# Altium PCB dust-measure-device.PcbDoc
Units mil, origin at the board's own origin, x right, y up, seen from the top; angles counter-clockwise.
Board outline 6000 x 4000 mil, 2 copper layers (Top Layer, Bottom Layer); 93 components, 64 nets, 350 pads, 33 vias.
Unrouted connection lines stored in the file: 102.
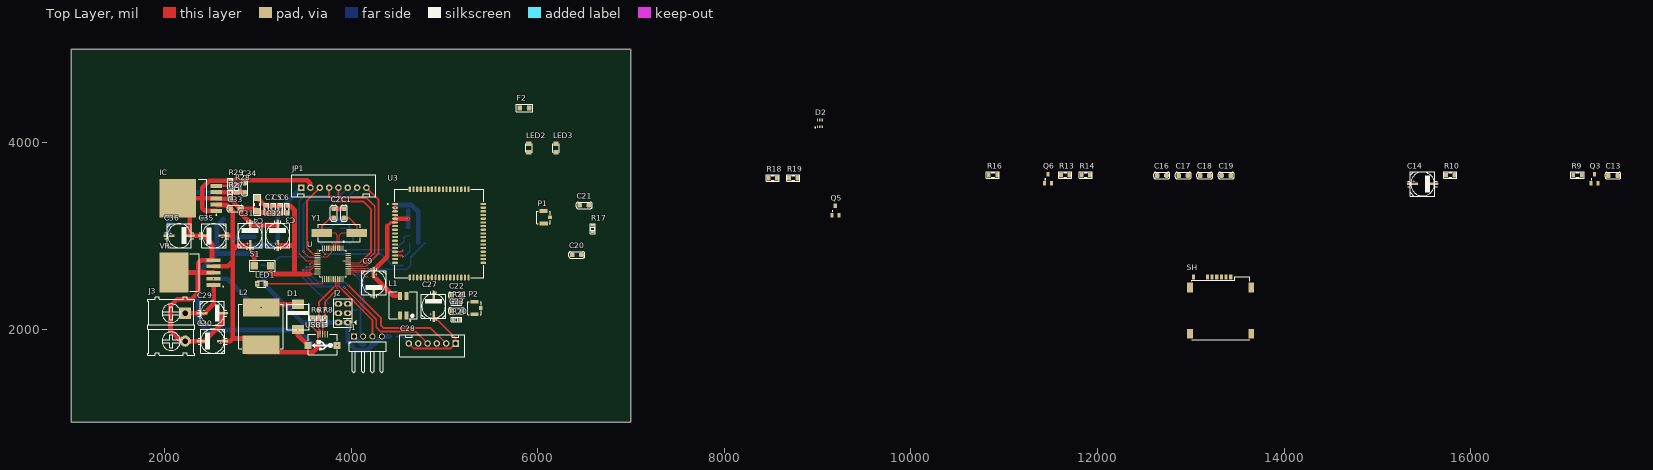
[diagram p0: Top Layer view]
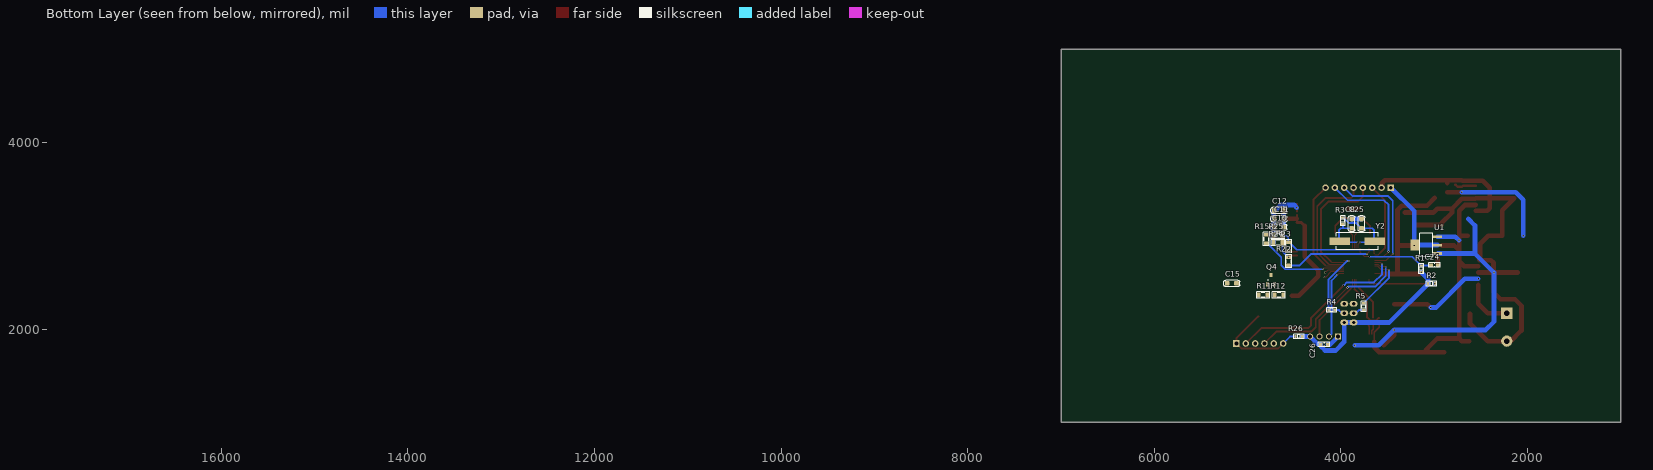
[diagram p1: Bottom Layer view, seen from below]

## Layer stack, top to bottom
Top Solder: solder mask 0.4, Solder Resist, Dk 3.5
Top Layer: signal copper 1.4
Dielectric 1: dielectric 12.6, FR-4, Dk 4.8
Bottom Layer: signal copper 1.4
Bottom Solder: solder mask 0.4, Solder Resist, Dk 3.5

## Board outline
1000,1000 7000,1000 7000,5000 1000,5000

## Design rules (kind name [scope] priority, off if disabled: settings)
Clearance [All] p1: gap=10 ignorepadtopadclearanceinfootprint=FALSE except(0: Arc-Hole Track-Hole SMDPad-Hole THPad-Hole Via-Hole Fill-Hole Poly-Hole Region-Hole Text-Hole; 25: Arc-Fill Arc-Poly Arc-Region Track-Fill Track-Poly Track-Region SMDPad-Fill SMDPad-Poly SMDPad-Region THPad-Fill THPad-Poly THPad-Region Via-Fill Via-Poly Via-Region Fill-Fill Fill-Poly Fill-Region Poly-Poly Poly-Region Region-Region)
PolygonConnect [All] p1: connectstyle=Relief reliefconductorwidth=10 reliefentries=4 polygonreliefangle="90 Angle" airgapwidth=10
RoutingVias [All] p1: holewidth=28 width=50 viastyle="Through Hole" minholewidth=28 minwidth=50 maxholewidth=28 maxwidth=50
SolderMaskExpansion [All] p1: expansion=4
Width [All] p1: maxlimit=50 minlimit=7 preferedwidth=20
30 further rules are at their usual default settings.

## Classes and differential pairs
component class "U_[05] - Power Supply": C29 C30 C31 C32 C33 C34 C35 C36 D1 IC J3 L2 R27 R28 R29 U1 VR
component class "U_[04] - Display": JP1
component class "U_[03] - Module Sim": C9 C10 C11 C12 C13 C14 C15 C16 C17 C18 C19 C20 C21 C22 C23 D2 F2 L1 LED2 LED3 P1 P2 Q3 Q4 Q5 Q6 R9 R10 R11 R12 R13 R14 R15 R16 R17 R18 R19 R20 R21 R22 R23 R24 R25 SH U3
component class "U_[02] - Sensor": C27 C28 R26
component class "U_[01] - MCU": C1 C2 C3 C4 C5 C6 C7 C8 C24 C25 C26 J1 J2 LED1 R1 R2 R3 R4 R5 R6 R7 R8 S1 U USB1 Y1 Y2

## Components (designator, comment, footprint, x,y, rotation, side; value= is the part's Value field where it differs from the comment)
C1 "20pF" CAP_0805 3925,3240 r270 top value=33p
C2 "20pF" CAP_0805 3815,3240 r270 top value=33p
C3 "104" CAP_0603 3315,3285 r90 top value=33p
C4 "106" CAP_1206 2995,3335 r90 top value=33p
C5 "104" CAP_0603 3170,3285 r90 top value=33p
C6 "104" CAP_0603 3245,3285 r90 top value=33p
C7 "104" CAP_0603 3095,3285 r90 top value=33p
C8 "20pF" CAP_0805 3885,3130 r270 bottom value=33p
C9 "100uF" CAP-ALU-SMD-D 4245,2495 r270 top
C10 "1uF" CAP_0805 4665,3090 r180 bottom value=33p
C11 "33pF" CAP_0805 4665,3180 r180 bottom value=33p
C12 "10pF" CAP_0805 4665,3270 r180 bottom value=33p
C13 "104" CAP_0805 17525,3645 r0 top value=33p
C14 "100uF" CAP-ALU-SMD-D 15485,3555 r0 top
C15 "104" CAP_0805 5170,2490 r180 bottom value=33p
C16 "33pF" CAP_0805 12690,3645 r0 top value=33p
C17 "33pF" CAP_0805 12920,3645 r0 top value=33p
C18 "33pF" CAP_0805 13150,3645 r0 top value=33p
C19 "100nF" CAP_0805 13380,3645 r0 top value=33p
C20 "33pF" CAP_0805 6420,2795 r0 top value=33p
C21 "33pF" CAP_0805 6500,3325 r0 top value=33p
C22 "33pF" CAP_0805 5130.59,2360.63 r0 top value=33p
C23 "33pF" CAP_0805 5130.59,2195.63 r180 top value=33p
C24 "105" CAP_0603 2998,2685 r0 bottom value=33p
C25 "20pF" CAP_0805 3780,3130 r270 bottom value=33p
C26 "104" CAP_0603 4180,1834.01 r0 bottom value=33p
C27 "220uF" CAP-ALU-SMD-D 4885,2245.63 r90 top
C28 "GP2Y101" CON_6P 5120,1845 r180 top
C29 "680uF" CAP-ALU-SMD-D 2515,2170 r0 top
C30 "220uF, tantalium" CAP-ALU-SMD-D 2515,1870 r180 top
C31 "22uF - 16V" CAP-ALU-SMD-D 2920,3005 r90 top
C32 "22uF - 16V" CAP-ALU-SMD-D 3215,3005 r90 top
C33 "100nF" CAP_0805 2760,3290 r180 top value=33p
C34 "1uF" CAP_0805 2860,3515 r270 top value=33p
C35 "330uF" CAP-ALU-SMD-D 2530,3000 r180 top
C36 "100uF" CAP-ALU-SMD-D 2160,3000 r0 top
D1 "1N5822" B560C-13-F 3430,2130 r270 top value="Diode c?m 1N5408"
D2 "SMF05C" SC70-6L 9025,4205 r0 top
F2 "Ferrite Bead" Ferrite_0805 5860,4370 r0 top
IC "MIC29302WU" TO-263 2320,3400 r180 top
J1 "SDW-BDG" JP4-D1C 4380,1820 r0 top
J2 "Connector 3x2" JP3x2 3915,2170 r90 top
J3 "KF2" KF2-7.62 2072.83,2020 r270 top
JP1 "Conn-8" CON_8P 3465,3515 r0 top
L1 "<27nH" L-SMD-D-7.3x7.3 4559.57,2251.45 r0 top
L2 "33uH, CDRH" Inductor_SMD 2798.78,1790.63 r0 top value="150 mH"
LED1 "LED" LED-0805-Red 2995,2485 r0 top value="LED 3 ly Single Colour"
LED2 "LED" LED-0805-Red 5905,3895 r90 top value="LED 3 ly Single Colour"
LED3 "LED" LED-0805-Red 6195,3895 r90 top value="LED 3 ly Single Colour"
P1 "Antenna" IPXS 6115.31,3196.91 r0 top
P2 "Antenna" IPXS 5375,2225 r0 top
Q3 "C1815" SOT23 17325,3610 r0 top
Q4 "C1815" SOT23 4752,2530 r180 bottom
Q5 "C1815" SOT23 9190,3270 r0 top
Q6 "C1815" SOT23 11470,3610 r0 top
R1 "10k" RES-SMD-0603 3140,2645 r270 bottom
R2 "1k" RES-SMD-0603 3030,2485 r0 bottom
R3 "1M" RES-SMD-0603 3980,3160 r270 bottom
R4 "100k" RES-SMD-0603 4100,2203.45 r180 bottom
R5 "100k" RES-SMD-0603 3755.79,2240 r90 bottom
R6 "4k7" RES-SMD-0603 3590,2085 r270 top
R7 "20R" RES-SMD-0603 3655,2085 r90 top
R8 "20R" RES-SMD-0603 3721.1,2085 r90 top
R9 "4k7" RES-SMD-0805 17145,3650 r0 top
R10 "47K" RES-SMD-0805 15780,3650 r0 top
R11 "4K7" RES-SMD-0805 4835,2365 r180 bottom
R12 "47K" RES-SMD-0805 4665,2365 r0 bottom
R13 "330R" RES-SMD-0805 11655,3650 r0 top
R14 "330R" RES-SMD-0805 11875,3650 r0 top
R15 "4K7" RES-SMD-0805 4800,2965 r270 bottom
R16 "4K7" RES-SMD-0805 10880,3650 r0 top
R17 "0R" RES-SMD-0603 6590,3075 r90 top
R18 "47K" RES-SMD-0805 8520,3620 r0 top
R19 "47K" RES-SMD-0805 8740,3620 r0 top
R20 "10" RES-SMD-0603 5130.59,2100.63 r180 top
R21 "0R" RES-SMD-0603 5130.59,2280.63 r180 top
R22 "1k" RES-SMD-0805 4560,2725 r90 bottom
R23 "1k" RES-SMD-0805 4560,2885 r270 bottom
R24 "4.7K" RES-SMD-0805 4675,2925 r180 bottom
R25 "10K" RES-SMD-0805 4675,3000 r0 bottom
R26 "150R" RES-SMD-0603 4450,1920 r0 bottom
R27 "47k" RES-SMD-0603 2705,3430 r90 top
R28 "100k" RES-SMD-0603 2775,3505 r270 top
R29 "47R" RES-SMD-0603 2705,3560 r270 top
S1 "SW-SMD" "SW 3x2x4" 3050,2680 r0 top
SH "SIM HOLDER" GCT_SIM7100-6-1-15-00-A_REVC 13320,2235 r0 top
U "STM32F103C8T6" STM32F103C8T6 3805,2700 r270 top
U1 "LM1117-ADJ" LM1117-SOP 3015,2900 r90 bottom
U3 "SIM808" XCVR_SIM808 4945,3025 r0 top
USB1 "USB" USB-M1 3695.51,1941.84 r180 top
VR "LM2596S-5.0" TO170P1524X483-6N 2275,2605 r180 top
Y1 "32,768Hz" XTAL_ABLS-20.000MHZ-B4-T 3875,3030 r0 top
Y2 "8MHz" XTAL_ABLS-20.000MHZ-B4-T 3825,2940 r0 bottom

## Footprints (in the part's own frame and the unit in brackets; to place one, negate y for a bottom-side part, rotate by r counter-clockwise, add the part's x,y. Pads: shape width x height; smd on the part's side, far side on the other; paste and mask are expansions set on the pad)
B560C-13-F [mm]
  rect 2.5x3.3 smd: 1(3.45,0) 2(-3.45,0)
  silkscreen extent -3.6,-3.1 3.6,3.1, body extent -2.72,-1.78 2.72,1.78, height 2.31
CAP-ALU-SMD-D [mm]
  rect 3x0.7 smd: 1(-2.794,0)
  oval 3x0.7 smd: 2(2.794,0)
  silkscreen extent -4,-3.3 3.93,3.3, body extent -3.5,-3.3 3.5,3.3, height 5.4
CAP_0603 [mm]
  rect 1x0.95 smd mask+0.076: 1(-0.94,0) 2(0.94,0)
  silkscreen extent -1.57,-0.58 1.57,0.58, body extent -0.77,-0.39 0.83,0.41, height 0.9
CAP_0805 [mil]
  rrect50% 50x50 smd: 1(-50,0) 2(50,0)
  silkscreen extent -85,-35 85,35, body extent -40,-25 40,25, height 24
CAP_1206 [mm]
  rect 1.7x1.7 smd: 1(-1.829,0) 2(1.778,0)
  silkscreen extent -2.9,-1.02 2.84,1.02, body extent -1.63,-0.8 1.57,0.8, height 0.94
CON_6P [mil]
  rect 70x70 hole 39.37 unplated: 1(0,0)
  round 70 hole 39.37 unplated: 2(100,0) 3(200,0)
  round 70 hole 39.37 unplated mask+4: 4(300,0) 5(400,0) 6(500,0)
  silkscreen extent -100,-95 600,140, body extent -94,-90 594,134, height 276
CON_8P [mil]
  rect 70x70 hole 39.37 unplated: 1(0,0)
  round 70 hole 39.37 unplated: 2(100,0) 3(200,0)
  round 70 hole 39.37 unplated mask+4: 4(300,0) 5(400,0) 6(500,0) 7(600,0) 8(700,0)
  silkscreen extent -100,-95 800,140, body extent -95,-90 795,134, height 276
Ferrite_0805 [mil]
  rect 50x55 smd: 1(-50,0) 2(50,0)
  silkscreen extent -87,-40 87,39, body extent -39,-24 39,24, height 18
GCT_SIM7100-6-1-15-00-A_REVC [mm]
  rect 1.56x2.61 smd: 1(-8.34,5.34) 2(-8.34,-7.29) 3(8.34,-7.29) 4(8.34,5.34)
  rect 0.9x1.35 smd: C1(2.755,8.215) C2(0.215,8.215) C3(-2.325,8.215) C5(1.485,8.215) C6(-1.055,8.215) C7(-3.595,8.215) CD(-7.405,8.215)
  silkscreen extent -7.88,-8.89 7.88,8.28, body extent -8.37,-8.92 8.38,8.41, height 1.5
Inductor_SMD [mm]
  rect 10x5 smd: 1(6.096,11.176) 2(6,1)
  silkscreen extent 0,0 12.1,12.1, body extent 0.1,-0.2 12.1,12.14, height 7.15
IPXS [mm] "SOT 23 _ 1-3-2"
  rect 1x1 smd: 1(0.415,-0.01)
  rect 2.2x1 smd: 2(-1.273,-1.658) 3(-1.278,1.73)
  silkscreen extent -3.13,-1.79 0.53,1.73, body extent -2.83,-1.49 0.31,1.56, height 1.55
JP3x2 [mil] "Connector 3x2"
  oval 60x86 hole 36: 1(-100,-50) 2(0,-50) 3(99,-50) 4(-100,50) 5(0,50) 6(100,50)
  silkscreen extent -150,-141 153,100, body extent -150,-100 150,100, height 335
JP4-D1C [mm] "4 pins, 1 row, right angled, gold plating"
  rect 1.6x1.6 hole 1.1: 1(-8.89,2.54)
  round 1.6 hole 1.1: 2(-6.35,2.54) 3(-3.81,2.54) 4(-1.27,2.54)
  silkscreen extent -10.16,-7.34 0,1.04, body extent -10.16,-7.57 0,2.79, height 2.54
KF2-7.62 [mil]
  rect 120x120 hole 59.06 unplated: 1(-150,150)
  round 120 hole 59.06 unplated: 2(150,150)
  silkscreen extent -324,-250 300,250, body extent -300,-241 300,231, height 337
L-SMD-D-7.3x7.3 [mm] "SMD Inductor,  4-Leads, Body 7.3x7.3mm (max)"
  rect 1x2.2 smd: 1(0.9,2.65) 2(-0.9,2.65) 3(-0.9,-2.65) 4(0.9,-2.65)
  silkscreen extent -3.85,-4.27 3.85,3.7, body extent -3.65,-3.65 3.65,3.65, height 4.76
LED-0805-Red [mil]
  rect 50x55 smd: 1(0,0) 2(90,0)
  silkscreen extent 0,-35 90,35, body extent 5,-25 85,25, height 43
LM1117-SOP [mm]
  rect 0.7x2.54 smd: 1(-2.3,-1.27) 2(0,-1.27) 3(2.3,-1.27)
  rect 3x2.54 smd: 2(0,4.826)
  silkscreen extent -3.17,0 3.18,3.56, body extent -3.25,-1.78 3.25,5.18, height 1.68
RES-SMD-0603 [mm]
  rect 0.6x0.9 smd: 1(-0.889,0) 2(0.927,0)
  silkscreen extent -1.4,-0.64 1.4,0.64, body extent -0.8,-0.4 0.8,0.4, height 0.43
RES-SMD-0805 [mil]
  rect 39.37x55 smd: 1(-45,0) 2(45,0)
  silkscreen extent -70,-34 70,33, body extent -39,-25 39,25, height 31
SC70-6L [mm] "SOT-363"
  rect 0.35x0.8 smd paste-1 mask+0: 1(-0.65,-0.95) 2(0,-0.95) 3(0.65,-0.95) 4(0.65,0.95) 5(0,0.95) 6(-0.65,0.95)
  silkscreen extent -1.35,-1.22 -1.15,-1.03, body extent -1.05,-1.15 1.05,1.15, height 1
SOT23 [mm] "SOT 23 _ 1-3-2"
  rect 0.85x1.2 smd: 1(-0.94,-1.245) 2(0.985,-1.25) 3(0.005,1.25)
  silkscreen extent -0.88,-0.25 -0.64,0, body extent -1.47,-1.33 1.53,1.17, height 1.06
STM32F103C8T6 [mm]
  rrect50% 1.56x0.28 smd: 1(-4.18,2.75) 2(-4.18,2.25) 3(-4.18,1.75) 4(-4.18,1.25) 5(-4.18,0.75) 6(-4.18,0.25) 7(-4.18,-0.25) 8(-4.18,-0.75) 9(-4.18,-1.25) 10(-4.18,-1.75) 11(-4.18,-2.25) 12(-4.18,-2.75) 25(4.18,-2.75) 26(4.18,-2.25) 27(4.18,-1.75) 28(4.18,-1.25) 29(4.18,-0.75) 30(4.18,-0.25) 31(4.18,0.25) 32(4.18,0.75) 33(4.18,1.25) 34(4.18,1.75) 35(4.18,2.25) 36(4.18,2.75)
  rrect50% 0.28x1.56 smd: 13(-2.75,-4.18) 14(-2.25,-4.18) 15(-1.75,-4.18) 16(-1.25,-4.18) 17(-0.75,-4.18) 18(-0.25,-4.18) 19(0.25,-4.18) 20(0.75,-4.18) 21(1.25,-4.18) 22(1.75,-4.18) 23(2.25,-4.18) 24(2.75,-4.18) 37(2.75,4.18) 38(2.25,4.18) 39(1.75,4.18) 40(1.25,4.18) 41(0.75,4.18) 42(0.25,4.18) 43(-0.25,4.18) 44(-0.75,4.18) 45(-1.25,4.18) 46(-1.75,4.18) 47(-2.25,4.18) 48(-2.75,4.18)
  silkscreen extent -6.15,-3.6 3.6,3.6, body extent -4.5,-4.5 4.5,4.5, height 1.53
"SW 3x2x4" [mm]
  rect 2x2 smd: 1(-2.2,0) 2(2.2,0)
  silkscreen extent -3.5,-1.5 3.5,1.5, body extent -2.45,-1.45 2.45,1.45, height 2
TO170P1524X483-6N [mm]
  rect 3.79x0.99 smd: 1(-6.4,3.4) 2(-6.4,1.7) 3(-6.4,0) 4(-6.4,-1.7) 5(-6.4,-3.4)
  rect 7.88x10.84 smd paste-6: 6(4.35,0)
  silkscreen extent -9.1,-5.08 0.09,5.08, body extent -7.05,-5.08 7.3,5.08, height 4.65
TO-263 [mm]
  rect 3.2x1.05 smd: 1(-6,3.4) 2(-6,1.7) 3(-6,0) 4(-6,-1.7) 5(-6,-3.4)
  rect 10x10.45 smd: 6(4.5,0)
  silkscreen extent -6.13,-5.2 -1.1,5.2, body extent -6.58,-5.2 7.57,5.2, height 4.65
USB-M1 [mil]
  rect 10x70 smd: 1(51.18,0) 2(25.59,0) 3(0,0) 4(-25.59,0) 5(-50,0)
  rect 74.8x74.8 smd: 5(-155.51,116.84) 5(155.51,116.84)
  silkscreen extent -155,-1 155,215, body extent -157,5 158,218, height 107
XCVR_SIM808 [mm]
  oval 1.6x0.6 smd: 1(-12,8) 2(-12,7) 3(-12,6) 4(-12,5) 5(-12,4) 6(-12,3) 7(-12,2) 8(-12,1) 9(-12,0) 10(-12,-1) 11(-12,-2) 12(-12,-3) 13(-12,-4) 14(-12,-5) 15(-12,-6) 16(-12,-7) 17(-12,-8) 35(12,-8) 36(12,-7) 37(12,-6) 38(12,-5) 39(12,-4) 40(12,-3) 41(12,-2) 42(12,-1) 43(12,0) 44(12,1) 45(12,2) 46(12,3) 47(12,4) 48(12,5) 49(12,6) 50(12,7) 51(12,8)
  oval 0.6x1.6 smd: 18(-8,-12) 19(-7,-12) 20(-6,-12) 21(-5,-12) 22(-4,-12) 23(-3,-12) 24(-2,-12) 25(-1,-12) 26(0,-12) 27(1,-12) 28(2,-12) 29(3,-12) 30(4,-12) 31(5,-12) 32(6,-12) 33(7,-12) 34(8,-12) 52(8,12) 53(7,12) 54(6,12) 55(5,12) 56(4,12) 57(3,12) 58(2,12) 59(1,12) 60(0,12) 61(-1,12) 62(-2,12) 63(-3,12) 64(-4,12) 65(-5,12) 66(-6,12) 67(-7,12) 68(-8,12)
  silkscreen extent -14.1,-12.07 12.07,12.07, body extent -12,-12 12,12, height 2.8
XTAL_ABLS-20.000MHZ-B4-T [mm]
  rect 5.6x2.1 smd: 1(-4.75,0) 2(4.75,0)
  silkscreen extent -5.7,-2.35 5.7,2.35, body extent -6.35,-2.35 6.35,2.35, height 4.06

## Part data
C1 C2 C3 C4 C5 C6 C7 C8 C10 C11 C12 C13 C15 C16 C17 C18 C19 C20 C21 C22 C23 C24 C25 C26 C33 C34: library part CapSMD, "Capacitor", LatestRevisionDate=17-Jul-2002, LatestRevisionNote="Re-released for DXP Platform.", PackageReference=RAD-0.3, Published=8-Jun-2000, Publisher="Altium Limited"
C9 C14 C31 C32: library part Cap_ALU_Smd, "Capacitor ALU SMD"
  C31 C32: ComponentLink1Description=http://linhkienviet.vn/tu-nhom-22uf-25v-5x5-4mm, ComponentLink1URL=http://linhkienviet.vn/tu-nhom-22uf-25v-5x5-4mm
C27 C29 C30 C35 C36: library part CAP-ALU-SMD, "Polarized Capacitor (Axial)", LatestRevisionDate=17-Jul-2002, LatestRevisionNote="Re-released for DXP Platform.", PackageReference=POLAR0.8, Published=8-Jun-2000, Publisher="Altium Limited"
C28: library part Header6, "Header IDC, 6 x 1 Pin Vertical 2.54mm Pitch (Non-Boxed, Male)", Manufacturer="W¨¹rth Elektronik eiSos GmbH", partNo=613002143121, ComponentLink1 Description=Manufacturer, ComponentLink1URL=http://www.we-online.com, ComponentLink2 Description=Datasheet, ComponentLink2URL=http://katalog.we-online.de/em/datasheet/6130xx143121.pdf, Created by="Karrer Zheng", Created Date="29 March 2013", NoPins=02
D1: "Schottky Rectifiers"
D2: "12.5V Clamp 8A _8/20µs_ Ipp Tvs Diode Surface Mount SC-88/SC70-6/SOT-363", Capacitance=130pF, Case/Package=SC, Clamping Voltage=12.5V, Leakage Current=5uA, Manufacturer=Semtech, Manufacturer Part Number=SMF05C.TCT, Max Breakdown Voltage=6V, Max Operating Temperature=125°C, Min Operating Temperature=-55°C, Operating Supply Voltage=5V, Package="SOT-363 ON Semiconductor", Peak Pulse Current=8A, Peak Pulse Power=100W, Power Line Protection=No, Resistor Type=Zener, Supplier Part Number 1=SMF05CDKR-ND, Test Current=1mA, Availability=Unavailable, Clamping Voltage-Max=12.5V, ComponentLink1Description=http://www.semtech.com/images/datasheet/smf05c.pdf?src-supplier=Future+Electronics, ComponentLink1URL=http://www.semtech.com/images/datasheet/smf05c.pdf?src-supplier=Future+Electronics, ComponentLink2Description=https://www.semtech.com/uploads/documents/smf05c.pdf?src-supplier=Verical, ComponentLink2URL=https://www.semtech.com/uploads/documents/smf05c.pdf?src-supplier=Verical, ComponentLink3Description=https://www.semtech.com/uploads/documents/smf05c.pdf?src-supplier=Digi-Key, ComponentLink3URL=https://www.semtech.com/uploads/documents/smf05c.pdf?src-supplier=Digi-Key, ComponentLink4Description=https://banlinhkien.com/smf05c-sot363-tvs-diode-esd-protection-p6646402.html, ComponentLink4URL=https://banlinhkien.com/smf05c-sot363-tvs-diode-esd-protection-p6646402.html, Depth=1.25mm, Diode Type=ZENER, Direction=Unidirectional, Element Configuration="Common Anode", ESD Protection=Yes, Height=0.9mm, Lead Free="Lead Free", Length=2mm, Max Reverse Leakage Current=5uA, MF="ON Semiconductor", Min Breakdown Voltage=6V, Mount="Surface Mount", MP=SMF05C, Number of Channels=5, Number of Elements=5, Number of Pins=6, Number of Unidirectional Channels=5, Packaging="Tape and Reel", Polarity=Unidirectional, Price=None, Pricing 1="1=0.87, 10=0.762, 100=0.5844, 500=0.462, 1000=0.3696 (USD)", Radiation Hardening=No, Reverse Breakdown Voltage=6V, Reverse Standoff Voltage=5V, RoHS Compliant=Yes, Series=SMF, SnapEDA_Link=https://www.snapeda.com/parts/SMF05C/ON%20Semiconductor/view-part/2782704/?ref=snap, Stock 1=29664, Supplier 1=Digi-Key, Voltage Rating (DC)=5V, Width=1.25mm, Working Voltage=5V
F2: Case/Package=0805, Case Code (Metric)=2012, Current Rating=4A, DC Current=3A, DC Resistance (DCR)=14mR, Frequency=100MHz, Manufacturer=Murata, Manufacturer Part Number=BLM21PG300SN1D, Max Operating Temperature=125°C, Min Operating Temperature=-55°C, Package Quantity=1, Resistance=15mR, Supplier Part Number 1=490-1052-2-ND, Tolerance=25%, Case Code (Imperial)=0805, ComponentLink1Description=http://search.murata.co.jp/Ceramy/image/img/PDF/ENG/L0110S0100BLM21P.pdf?src-supplier=Avnet, ComponentLink1URL=http://search.murata.co.jp/Ceramy/image/img/PDF/ENG/L0110S0100BLM21P.pdf?src-supplier=Avnet, ComponentLink2Description=https://www.murata.com/en-us/products/productdata/8796738977822/ENFA0005.pdf?src-supplier=Digi-Key, ComponentLink2URL=https://www.murata.com/en-us/products/productdata/8796738977822/ENFA0005.pdf?src-supplier=Digi-Key, ComponentLink3Description=http://www.farnell.com/datasheets/1756152.pdf?src-supplier=Element14, ComponentLink3URL=http://www.farnell.com/datasheets/1756152.pdf?src-supplier=Element14, ComponentLink4Description=http://uk.rs-online.com/webdocs/002e/0900766b8002e1f1.pdf?src-supplier=RSComponents, ComponentLink4URL=http://uk.rs-online.com/webdocs/002e/0900766b8002e1f1.pdf?src-supplier=RSComponents, ComponentLink5Description=http://www.murata.com/en-global/api/pdfdownloadapi?cate=luNoiseSupprFilteChipFerriBead&partno=BLM21PG300SN1%23&src-supplier=Future+Electronics, ComponentLink5URL=http://www.murata.com/en-global/api/pdfdownloadapi?cate=luNoiseSupprFilteChipFerriBead&partno=BLM21PG300SN1%23&src-supplier=Future+Electronics, ComponentLink6Description=http://www.jameco.com/Jameco/Products/ProdDS/1845339.pdf?src-supplier=Jameco, ComponentLink6URL=http://www.jameco.com/Jameco/Products/ProdDS/1845339.pdf?src-supplier=Jameco, ComponentLink7Description=http://search.murata.co.jp/Ceramy/image/img/PDF/ENG/L0110S0100BLM21P.pdf?src-supplier=Avnet+Europe, ComponentLink7URL=http://search.murata.co.jp/Ceramy/image/img/PDF/ENG/L0110S0100BLM21P.pdf?src-supplier=Avnet+Europe, ComponentLink8Description=http://www.produktinfo.conrad.com/datenblaetter/1100000-1199999/001172365-da-01-en-DROSSEL_0805_30R0_2_0X1_25MM_4000ST.pdf?src-supplier=Conrad, ComponentLink8URL=http://www.produktinfo.conrad.com/datenblaetter/1100000-1199999/001172365-da-01-en-DROSSEL_0805_30R0_2_0X1_25MM_4000ST.pdf?src-supplier=Conrad, ComponentLink9Description=https://banlinhkien.vn/goods-9788-ferrite-beads-100-ohm-nfz2msm101sn10l.htmlhttps://banlinhkien.vn/goods-9788-ferrite-beads-100-ohm-nfz2msm101sn10l.html, ComponentLink9URL=https://banlinhkien.vn/goods-9788-ferrite-beads-100-ohm-nfz2msm101sn10l.html, Core Material=Ferrite, DC Resistance-Max=14mR, Depth=1.25mm, Height=0.85mm, Impedance=30R, Lead Free="Lead Free", Length=2mm, Material=Steel,Ferrite, Max Current Rating=4A, Max DC Current=3A, Military Standard=Not, Number of Circuits=1, Number of Lines=1, Number of Pins=2, Packaging="Tape and Reel", Pricing 1="4000=0.03102, 8000=0.02895, 12000=0.02688, 28000=0.02657, 100000=0.02585 (USD)", Radiation Hardening=No, REACH SVHC="No SVHC", RoHS Compliant=Yes, Series=BLM21P, Shielding=Unshielded, Stock 1=0, Supplier 1=Digi-Key, Termination=SMD/SMT, Test Frequency=100MHz, Width=1.25mm
IC: "Linear Voltage Regulator IC 1 Output 3A TO-263-5", Package="TO-263-6 Microchip Technology", Availability=Unavailable, MF="Microchip Technology", MP=MIC29302WU, Price=None, SnapEDA_Link=https://www.snapeda.com/parts/MIC29302WU/Microchip/view-part/4422516/?ref=snap
J1: library part JP4, "WR-PHD 2.54 mm Angled Socket Header", Manufacturer="W¨¹rth Elektronik eiSos GmbH", partNo=613004143121, ComponentLink1 Description=Manufacturer, ComponentLink1URL=http://www.we-online.com, ComponentLink2 Description=Datasheet, ComponentLink2URL=http://katalog.we-online.de/em/datasheet/6130xx143121.pdf, Created by="Karrer Zheng", Created Date="29 March 2013", NoPins=04
J2: library part JP3x2
J3: Manufacturer="Würth Elektronik eiSos GmbH", partNo=691103110002, ComponentLink1 Description=Manufacturer, ComponentLink1URL=http://www.we-online.com, ComponentLink2 Description=Datasheet, ComponentLink2URL=http://katalog.we-online.de/em/datasheet/6911031100xx.pdf, Created by="Karrer Zheng", Created Date="29 October 2013", NoPins=2
L1: library part Inductor
L2: library part L1, "Inductor"
LED1 LED2 LED3: "LED Single colour Green and Red"
P1 P2: library part IPXSx66, "Antenna GSM GPS"
Q3 Q4 Q5 Q6: "Bipolar _BJT_ Transistor NPN 25V 1.5A 100MHz 300mW Surface Mount SOT-23", Case/Package=TO-236-3, Collector-emitter Voltage-Max=500mV, Collector Base Voltage (VCBO)=40V, Collector Emitter Breakdown Voltage=25V, Emitter Base Voltage (VEBO)=5V, Manufacturer=MCC, Manufacturer Part Number=MMSS8050-L-TP, Max Collector Current=1.5A, Max Operating Temperature=150°C, Max Power Dissipation=625mW, Min Operating Temperature=-55°C, Package="TO-236 Comchip", Package Quantity=3000, Supplier Part Number 1=MMSS8050-L-TPMSTR-ND, Transition Frequency=100MHz, Collector Emitter Saturation Voltage=500mV, Collector Emitter Voltage (VCEO)=500mV, ComponentLink1Description=http://www.mouser.com/ds/2/258/MMSS8050(SOT-23)-276387.pdf?src-supplier=Mouser, ComponentLink1URL=http://www.mouser.com/ds/2/258/MMSS8050(SOT-23)-276387.pdf?src-supplier=Mouser, ComponentLink2Description=http://www.mccsemi.com/up_pdf/MMSS8050(SOT-23).pdf?src-supplier=Digi-Key, ComponentLink2URL=http://www.mccsemi.com/up_pdf/MMSS8050(SOT-23).pdf?src-supplier=Digi-Key, ComponentLink3Description=https://www.mccsemi.com/pdf/Products/MMSS8050(SOT-23).pdf?src-supplier=Digi-Key, ComponentLink3URL=https://www.mccsemi.com/pdf/Products/MMSS8050(SOT-23).pdf?src-supplier=Digi-Key, ComponentLink4Description=https://banlinhkien.vn/goods-946-c1815-2sc1815-sot23-npn-hf-smd-.html, ComponentLink4URL=https://banlinhkien.vn/goods-946-c1815-2sc1815-sot23-npn-hf-smd-.html, Digi-Key_Part_Number=641-1790-1-ND, Digi-Key_Purchase_URL=https://www.digikey.in/product-detail/en/comchip-technology/SS8050-G/641-1790-1-ND/6138954?utm_source=snapeda&utm_medium=aggregator&utm_campaign=symbol, Element Configuration=Single, Gain Bandwidth Product=100MHz, hFE Min=40, Lead Free="Lead Free", Max Breakdown Voltage=25V, MF="Comchip Technology", Mount="Surface Mount", MP=SS8050-G, Packaging="Tape and Reel", Polarity=NPN, Pricing 1="3000=0.0346, 6000=0.03121, 15000=0.02714, 30000=0.02442, 75000=0.02171 (USD)", RoHS Compliant=Yes, Series=-, SnapEDA_Link=https://www.snapeda.com/parts/SS8050-G/Comchip%20Technology/view-part/809142/?ref=snap, Stock 1=0, Supplier 1=Digi-Key
R1 R2 R3 R4 R5 R6 R7 R8 R9 R10 R11 R12 R13 R14 R15 R16 R17 R18 R19 R20 R21 R22 R23 R24 R25 R26 R27 R28 R29: library part "Resistor - SMD", "Resistor", Manufacturer="Generic Components", Class=Passive, Published=08/06/2000, Publisher="Altium Hobart Technology Centre"
S1: "Switch", ComponentLink1Description=https://shopee.vn/-Home-Living-100pcs-3X6X2.5mm-Tactile-Push-Button-Switch-Tact-Switch-Micro-Switch-SMD-i.329424082.5262213627, ComponentLink1URL=https://shopee.vn/-Home-Living-100pcs-3X6X2.5mm-Tactile-Push-Button-Switch-Tact-Switch-Micro-Switch-SMD-i.329424082.5262213627, LatestRevisionDate=17-Jul-2002, LatestRevisionNote="Re-released for DXP Platform.", PackageReference=SPST-2, Published=24-Mar-1999, Publisher="Altium Limited"
SH: "7 _6 + 1_ Position Card Connector Micro SIM Surface Mount, Right Angle Gold", Package=None, Availability=Unavailable, MF="Global Connector Technology", MP=SIM7100-6-1-15-00-A, Price=None, SnapEDA_Link=https://www.snapeda.com/parts/SIM7100-6-1-15-00-A/Global%20Connector%20Technology/view-part/449163/?ref=snap
U: "ARM® Cortex®-M3 STM32F1 Microcontroller IC 32-Bit 72MHz 64KB _64K x 8_ FLASH", Package="LQFP-48 STMicroelectronics", Availability=Unavailable, MF=STMicroelectronics, MP=STM32F103C8T6, Price=None, SnapEDA_Link=https://www.snapeda.com/parts/STM32F103C8T6/STMicroelectronics/view-part/52195/?ref=snap
U1: "800mA Low-Dropout Linear Regulator", Creator="Nguyen Ba Bien", Website=http://group3i.net
U3: "SIM808 GPS, GPRS/GSM RF Arduino Platform Evaluation Expansion Board", Package=None, Availability=Unavailable, ComponentLink1Description=https://banlinhkien.com/sim808-p6650749.html, ComponentLink1URL=https://banlinhkien.com/sim808-p6650749.html, MF="Adafruit Industries", MP=SIM808, Price=None, SnapEDA_Link=https://www.snapeda.com/parts/SIM808/SIMcom%20Wireless%20solutions%20Co.%2CLtd/view-part/424834/?ref=snap
USB1: library part USB-micro
VR: "SIMPLE SWITCHER&reg; 4.5V to 40V, 3A Low Component Count Step-Down Regulator 5-DDPAK/TO-263", Package="TO-263-5 Texas Instruments", Availability=Good, DigiKey-Purchase-URL=https://snapeda.com/shop?store=DigiKey&id=15588, MF="Texas Instruments", Mouser-Purchase-URL=https://snapeda.com/shop?store=Mouser&id=15588, MP=LM2596S-5.0/NOPB, Price=None, SnapEDA_Link=https://www.snapeda.com/parts/LM2596S-5.0/NOPB/Texas%20Instruments/view-part/15588/?ref=snap, Texas_Instruments-Purchase-URL=https://snapeda.com/shop?store=Texas+Instruments&id=15588
Y1 Y2: library part Crystal, "8MHz ±20ppm Crystal 18pF 80 Ohms HC-49/US", Package="HC-49/US Abracon LLC", Availability=Unavailable, MF="Abracon LLC", MP=ABLS-8.000MHZ-B2, Price=None, SnapEDA_Link=https://www.snapeda.com/parts/ABLS-8.000MHZ-B2/Abracon%20LLC/view-part/2753215/?ref=snap

## Via types
v1: diameter 19.68, hole 13.78, Top Layer to Bottom Layer, 33 vias

## Nets (pads, with @x,y where several pads share a name; then routed paths per layer and width w, separated by ;. In a path a pad name is that pad's centre, name@x,y a point inside that pad or via, vN(x,y) a via of type N, cw(c..) or ccw(c..) an arc to the next point about the centre after c; other vN are vias at no path point)
3.3V: C3.2 C4.2 C5.2 C6.2 C7.2 C26.2 C32.1 J1.4 J2.1 J2.4 JP1.1 R1.2 R2.2 R26.1 U1.2 U.9 U.24 U.36 U.48 | length 4797.3
  Top Layer w7: 3558.43,2590.16 3638.86,2590.16 U.24
  Top Layer w50: C4.2 3078,3322 C7.2 C5.2 C6.2 C3.2 3348,3322 3395,3275 3395,2895 ; v1@3140,2605.63 3155.47,2590.16 3395,2590.16 ; v1(3215,2895) 3395,2895 ; 3558.43,2590.16 3395,2590.16 ; 3395,2590.16 3395,2895
  Bottom Layer w50: U1.2@2965,2900 3205,2900 3210,2895 v1(3215,2895) 3215,3265 JP1.1 ; v1(3140,2608.51) 3066.49,2535 R2.2 3481.48,2070 J2.4 J2.1 3963.5,2068.5 3963.5,1861.5 4055,1770 4170.88,1770 4217,1816.12 C26.2 4220.49,1837.5 4247.5,1837.5 J1.4 R26.1
3.8V: C34.2 C36.1 F2.2 IC.4 R27.2 R28.2 | length 1384
  Top Layer w50: IC.4 v1(2705,3466.93) 2858.07,3466.93 C34.2 ; R27.2 v1(2705,3466.93)
  Bottom Layer w50: v1(2045,3000) 2045,3385 2126.93,3466.93 v1(2705,3466.93)
5V: C30.1 C31.1 C33.2 C35.1 IC.2 L2.2 R6.2 U1.3 USB1.1 VR.4 | length 3902.1
  Top Layer w15: R6.2 3590,2021.17 3644.33,1966.84 USB1.1 3644.33,1865.67 3645,1865
  Top Layer w50: VR.4 2680.98,2671.93 2734.06,2725 ; IC.2 2560.55,3328.74 2671.26,3328.74 C33.2 2734.06,3265.94 2734.06,3000 ; C30.1 2704.77,1870 2734.06,1899.29 ; C35.1 2734.06,3000 ; 2734.06,2844.06 2734.06,2725 ; 2734.06,2855 2734.06,3000 ; 2740,2850 2785,2895 C31.1 ; L2.2@2892.4,1752.6 3591.9,1752.6 3645,1805.7 3645,1865 ; L2.2@3092.4,1772.6 L2.2 2965.71,1899.29 2734.06,1899.29 ; 2734.06,1899.29 2734.06,2725
  Bottom Layer w50: v1(2735,2950) 2775.55,2990.55 U1.3
12V: C29.1 J3.1 VR.1 | length 547.2
  Top Layer w50: J3.1 C29.1 2427.83,2170 2526.97,2269.13 VR.1
Analog_Val: C28.2 U.18 | length 2013.5
  Top Layer w7: v1(3560,2700) 3563.43,2700 3573.28,2709.84 U.18
  Top Layer w20: v1(3974.09,2470) 3974.09,2465.91 4320,2120 4320,2040 4350,2010 4855,2010 C28.2
  Bottom Layer w20: v1(3560,2700) 3560,2587.99 3647.99,2500 3935.98,2500 3965.98,2470 v1(3974.09,2470)
BOOT0: R4.1 U.44 | length 672.6
  Top Layer w7: v1(3920,2730) 3920.24,2729.76 3969.33,2729.76 U.44
  Bottom Layer w20: v1(3920,2730) 3932.43,2730 4135,2527.42 R4.1
BOOT1: R5.2 U.20 | length 644.3
  Top Layer w7: v1(3485,2635) 3570,2635 3605.47,2670.47 U.20
  Bottom Layer w20: v1(3485,2635) 3485,2547.28 3748.08,2284.2 3748.08,2278.3 3749.89,2276.49 R5.2
DC_TFT: JP1.5 U.42 | length 1356.9
  Top Layer w7: U.42 4125.16,2690.16 4135,2700
  Top Layer w20: JP1.5 3865,3430 3890,3405 4165,3405 4255,3315 4255,2820 4135,2700
Digital_Val: C28.4 U.19 | length 1876
  Top Layer w7: v1(3520,2665) 3575,2665 3600.16,2690.16 U.19
  Top Layer w20: v1(3930,2445) 4270,2105 4270,2020 4315,1975 4690,1975 C28.4
  Bottom Layer w20: v1(3520,2665) 3520,2570 3635,2455 3920,2455 v1(3930,2445)
GND: C1.1 C2.1 C3.1 C4.1 C5.1 C6.1 C7.1 C8.1 C9.2 C10.1 C11.1 C12.1 C13.1 C14.2 C15.1 C16.1 C17.1 C18.1 C19.1 C20.1 C21.1 C22.1 C23.1 C24.1 C25.1 C26.1 C27.2 C28.3 C28.5 C29.2 C30.2 C31.2 C32.2 C33.1 C34.1 C35.2 C36.2 D1.1 D2.2 IC.1 IC.3 IC.6 J1.1 J2.3 J2.6 J3.2 JP1.2 P1.2 P1.3 P2.2 P2.3 Q5.2 Q6.2 R18.2 R19.2 R24.1 R25.2 R27.1 R29.1 S1.1 SH.C5 U1.1 U3.1 U3.2 U3.3 U3.18 U3.28 U3.34 U3.36 U3.40 U3.51 U3.52 U3.54 U3.64 U3.65 U3.67 U3.68 U.8 U.23 U.35 U.47 USB1.5 VR.3 VR.5 VR.6 | length 11257.3
  Top Layer w20: U3.3 v1(4472.56,3300.59) U3.1
  Top Layer w50: VR.6 v1(2360,2605) ; VR.3 v1(2360,2605) ; IC.1 2433.86,3266.14 2405,3295 2405,3400 ; C29.2@2616.61,2161.61 2616.61,2058.78 2427.83,1870 C30.2 J3.2 2180,1870 2065,1985 2065,2250 2135,2320 2290,2320 2360,2390 v1(2360,2605) ; C34.1 2860,3595 ; S1.1@2958,2685.39 S1.1 v1(2963.39,2808.27) ; C32.2 C31.2 2920,3137.83 2810,3247.83 C33.1 ; C3.1 C6.1 C5.1 C7.1 3010,3248 C4.1 2968,3290 C33.1 ; v1(3430,1990) 3430,1935 USB1.5@3540,1825 ; JP1.2@3565,3520.41 JP1.2 3561.17,3518.83 3561.17,3563.83 3530,3595 2865,3595 2860,3595 ; C2.1 C1.1 ; v1(2360,2605) 2365,2610 2365,2709.57 2394.29,2738.86 2516.14,2738.86 2510.63,2744.37 2510.63,2909.37 C35.2 C36.2 2270,3272.83 IC.6 2405,3400 ; 2405,3400 2405,3515.8 2478.73,3589.53 2699.52,3589.53 R29.1 2830,3595 2860,3595 ; 2405,3400 IC.3 2561.22,3395 R27.1 C33.1
  Bottom Layer w50: 2635,3180 2564.45,3109.45 2564.45,2809.45 ; U1.1@2963.39,2809.45 2564.45,2809.45 ; C25.1 C8.1 ; v1(3851.02,1825) 3595,1825 v1(3430,1990) 2450,1990 2360,2080 v1(2360,2605) 2564.45,2809.45 ; J1.1 4115.99,1834.01 C26.1 ; v1(4472.56,3300.59) 4501.97,3330 4647.18,3330 4707.18,3270 C12.1 4720,3265 R24.1
GPS_ANT: C22.2 R21.1 U3.35
GSM_ANT: C20.2 R17.1 U3.66
LED_TFT: JP1.8 U.41 | length 1142.1
  Top Layer w7: U.41 4155.47,2670.47 4170,2685
  Top Layer w20: JP1.8 4295,3385 4295,2810 4170,2685
NetC14_1: C14.1 U3.17
NetC21_2: C21.2 P1.1 R17.2
NetC23_2: C23.2 P2.1 R20.1 R21.2
NetD1_2: D1.2 L2.1 VR.2 | length 1045
  Top Layer w50: v1(3038.78,2230.63) 3073.98,2265.83 D1.2
  Bottom Layer w50: v1(2526.97,2538.07) 2671.93,2538.07 2979.37,2230.63 v1(3038.78,2230.63)
NetIC_5: IC.5 R28.1 R29.2 | length 212.8
  Top Layer w25: IC.5 R29.2@2690.13,3533.86 ; R29.2 2705.69,3524.2 2749.67,3524.2 2770.47,3545 R28.1@2775,3545
NetJ2_2: J2.2 R4.2 | length 118.9
  Bottom Layer w20: J2.2 3988.82,2170 4022.28,2203.45 4058.51,2203.45 R4.2 4069.94,2203.45 R4.2@4070,2203.51
NetJ2_5: J2.5 R5.1 | length 123.7
  Bottom Layer w20: R5.1 3806.18,2205 3841.18,2170 J2.5
NetL1_1: L1.1 R20.2
NetLED1_1: LED1.1 R2.1 | length 0
  other v1: 2995,2485
NetLED2_2: LED2.2 R13.1
NetLED3_2: LED3.2 R14.1
NETLIGHT: R16.1 U3.50
NetQ3_1: Q3.1 R9.2 R10.1
NetQ3_2: Q3.2 R10.2
NetQ4_1: Q4.1 R11.2 R12.1
NetQ4_2: Q4.2 R12.2
NetQ5_1: Q5.1 R15.1 R18.1
NetQ5_3: Q5.3 R13.2
NetQ6_1: Q6.1 R16.2 R19.1
NetQ6_3: Q6.3 R14.2
NetR7_1: R7.1 USB1.2 | length 122.7
  Top Layer w15: R7.1 3660.91,2050 3655,2044.09 3655,1995.92 3669.33,1981.59 3669.33,1942.43 USB1.2
NetR8_1: R8.1 USB1.3 | length 122.2
  Top Layer w15: USB1.3 3695.51,2030.31 3715.2,2050 R8.1
OSCIN: C8.2 R3.2 U.5 Y2.2 | length 594.8
  Top Layer w8: v1(3825,2930) 3825,2926.84 3834.53,2917.31 U.5
  Bottom Layer w15: v1(3825,2930) 3971.77,2930 3986.77,2915 3986.89,2915.12 3987.01,2915 4017.01,2945 Y2.2@4022.01,2940
  Bottom Layer w20: C8.2 3980,3080 ; R3.2 3980,3080 ; Y2.2@4022.01,2940 4022.01,3057.99 4000,3080 3980,3080
OSCOUT: C25.2 R3.1 U.6 Y2.1 | length 755.3
  Top Layer w8: v1(3795.16,2930) 3795.16,2926.12 3814.84,2906.44 U.6
  Bottom Layer w20: v1(3795.16,2930) 3707.99,2930 3687.99,2910 3652.99,2945 3647.99,2940 3647.99,3062.99 3665,3080 C25.2 3835,3135 3914.09,3135 3974.09,3195 R3.1
PA11: R7.2 U.32 | length 488.3
  Top Layer w7: 3810,2440 3834.53,2464.53 U.32
  Top Layer w20: R7.2 3655,2285 3810,2440
PA12: R6.1 R8.2 U.33 | length 625.9
  Top Layer w7: 3854.21,2424.37 U.33
  Top Layer w20: R6.1 3595.91,2120 3626.23,2089.68 3683.38,2089.68 3715.19,2121.49 R8.2 3721.1,2291.26 3854.21,2424.37
PB12: LED1.2 U.25 | length 658.2
  Top Layer w7: 3650,2485 3690,2485 3696.73,2491.73 U.25
  Top Layer w20: LED1.2 3650,2485
PC14: C1.2 U.3 Y1.2 | length 587.2
  Top Layer w7: U.3 3873.9,3003.9 3900,3030 Y1.2
  Top Layer w20: C1.2 3980,3190 4062.01,3107.99 Y1.2
PC15: C2.2 U.4 Y1.1 | length 553.5
  Top Layer w7: Y1.1 3830,3030 3854.21,3005.79 U.4
  Top Layer w20: Y1.1 3687.99,3102.99 3775,3190 C2.2
PWRK_SIM: R9.1 U.38 | length 228.8
  Top Layer w7: U.38 4109.14,2611.42 4165.55,2555 v1(4175,2555)
PWRKEY: C13.2 Q3.3 U3.8
RESET: C15.2 Q4.3 U3.16
RST: C24.2 R1.1 S1.2 U.7 | length 861.8
  Top Layer w7: v1(3695,2775) 3745.15,2775 3794.48,2824.34 3794.48,2863.89 U.7
  Bottom Layer w20: C24.2 3038.19,2681.81 3138.19,2681.81 R1.1 3235,2775 v1(3695,2775)
RST_SIM: R11.1 U.39 | length 211.2
  Top Layer w7: U.39 4143.9,2631.1 v1(4170,2605)
RST_TFT: JP1.4 U.43 | length 1357.1
  Top Layer w7: U.43 4094.84,2709.84 4110,2725
  Top Layer w20: JP1.4@3770.96,3515 JP1.4 3765,3420 3820,3365 4135,3365 4215,3285 4215,2830 4110,2725
RX2_MCU: R23.1 R25.1 U.13 | length 1113.6
  Top Layer w7: U.13 3642.99,2808.27 3645,2810.28 v1(3645,2850)
  Bottom Layer w20: v1(3645,2850) 4472.18,2850 4552.19,2930 R23.1 4564.69,2934.69 4564.69,2979.69 4585,3000 R25.1@4625,3000
RX_SIM: R22.2 R24.2 U3.15 | length 282.4
  Top Layer w20: U3.15 4541.22,2788.78 v1(4560,2770)
  Bottom Layer w20: v1(4560,2770) 4565.47,2770 4630,2834.53 R24.2
SCK_TFT: JP1.7 U.15 | length 1327.4
  Top Layer w7: v1(3490,2830) 3551.1,2768.9 U.15
  Bottom Layer w20: v1(3490,2830) 3490,3330 3540,3380 3930,3380 JP1.7
SDA_TFT: JP1.6 U.17 | length 1374.7
  Top Layer w7: v1(3445,2805) 3520.47,2729.53 U.17
  Bottom Layer w20: v1(3445,2805) 3445,3375 3495,3425 3875,3425 JP1.6
SIM_CLK: C16.2 D2.5 SH.C3 U3.31
SIM_DATA: C17.2 D2.4 SH.C7 U3.30
SIM_RST: C18.2 D2.3 SH.C2 U3.32
SIM_VDD: C19.2 D2.1 SH.C1 U3.29
SS_TFT: JP1.3 U.14 | length 848
  Top Layer w7: 3577.43,2817.58 3605.75,2789.26 3639.76,2789.26 U.14
  Top Layer w20: 3577.43,2817.58 3530,2865 3530,3380 JP1.3
STATUS: R15.2 U3.49 U.40 | length 999.4
  Top Layer w7: U.40 4185.78,2650.79 4191.57,2645 v1(4195,2645)
  Bottom Layer w20: v1(4195,2645) 4199.69,2640.31 4595.78,2640.31 4640,2684.53 4640,2767.82 4792.19,2920 R15.2
SWDCLK: J1.2 U.37 | length 772.6
  Top Layer w7: U.37 4024.84,2591.73 4036.57,2580 v1(4040,2580)
  Bottom Layer w20: v1(4040,2580) 4100,2520 4100,1950 J1.2
SWDIO: J1.3 U.34 | length 762.9
  Top Layer w7: U.34 3873.9,2451.1 3895,2430
  Top Layer w20: 3895,2430 4230,2095 J1.3
TX2_MCU: R22.1 U.12 | length 966.5
  Top Layer w7: U.12@3695,2859.72 3694.72,2860 3696.73,2862.01 U.12 3697.41,2863.89 3697.41,2828.07 v1(3720,2805.47)
  Bottom Layer w20: v1(3720,2805.47) 4319.53,2805.47 4445,2680 R22.1
TX_SIM: R23.2 U3.14 | length 92.4
  Top Layer w20: U3.14 4540.03,2828.15 4551.88,2840 v1(4560,2840)
V_LED: C27.1 C28.1 C28.6 R26.2 | length 1098.1
  Top Layer w20: C28.6 4675,1790 5065,1790 C28.1 5120,1900.63 C27.1
  Bottom Layer w20: R26.2 4545,1920 C28.6
VBAT: C9.1 C10.2 C11.2 C12.2 F2.1 L1.2 LED2.1 LED3.1 U3.4 U3.5 U3.6 | length 1467
  Top Layer w20: U3.6@4471.87,3142.42 U3.6 U3.5 U3.4
  Top Layer w30: 4390,3107.07 4425.35,3142.42 U3.6@4471.87,3142.42
  Top Layer w50: 4390,3107.07 4390,2772.83 4245,2627.83 C9.1 4245,2564.37 4429.37,2380 4430,2380 4454.22,2355.78 L1.2 ; U3.5 v1(4615,3182.48)
  Bottom Layer w50: C10.2 C11.2 v1(4615,3182.48) C12.2
pads on no net: D2.6 L1.3 L1.4 SH.1 SH.2 SH.3 SH.4 SH.C6 SH.CD U3.7 U3.9 U3.10 U3.11 U3.12 U3.13 U3.19 U3.20 U3.21 U3.22 U3.23 U3.24 U3.25 U3.26 U3.27 U3.33 U3.37 U3.38 U3.39 U3.41 U3.42 U3.43 U3.44 U3.45 U3.46 U3.47 U3.48 U3.53 U3.55 U3.56 U3.57 U3.58 U3.59 U3.60 U3.61 U3.62 U3.63 U.1 U.2 U.10 U.11 U.16 U.21 U.22 U.26 U.27 U.28 U.29 U.30 U.31 U.45 U.46 USB1.4

## Text inside footprints (layer, text, board x,y; h text height)
C9: Top Overlay "+" at 4257.8,2605.24 h35 r270
C14: Top Overlay "+" at 15374.76,3567.8 h35
C27: Top Overlay "+" at 4872.2,2135.39 h35 r90
C29: Top Overlay "+" at 2404.76,2182.8 h35
C30: Top Overlay "+" at 2625.24,1857.2 h35 r180
C31: Top Overlay "+" at 2907.2,2894.76 h35 r90
C32: Top Overlay "+" at 3202.2,2894.76 h35 r90
C35: Top Overlay "+" at 2640.24,2987.2 h35 r180
C36: Top Overlay "+" at 2049.76,3012.8 h35